# KiCad board AFS-K5171.kicad_pcb (continued)
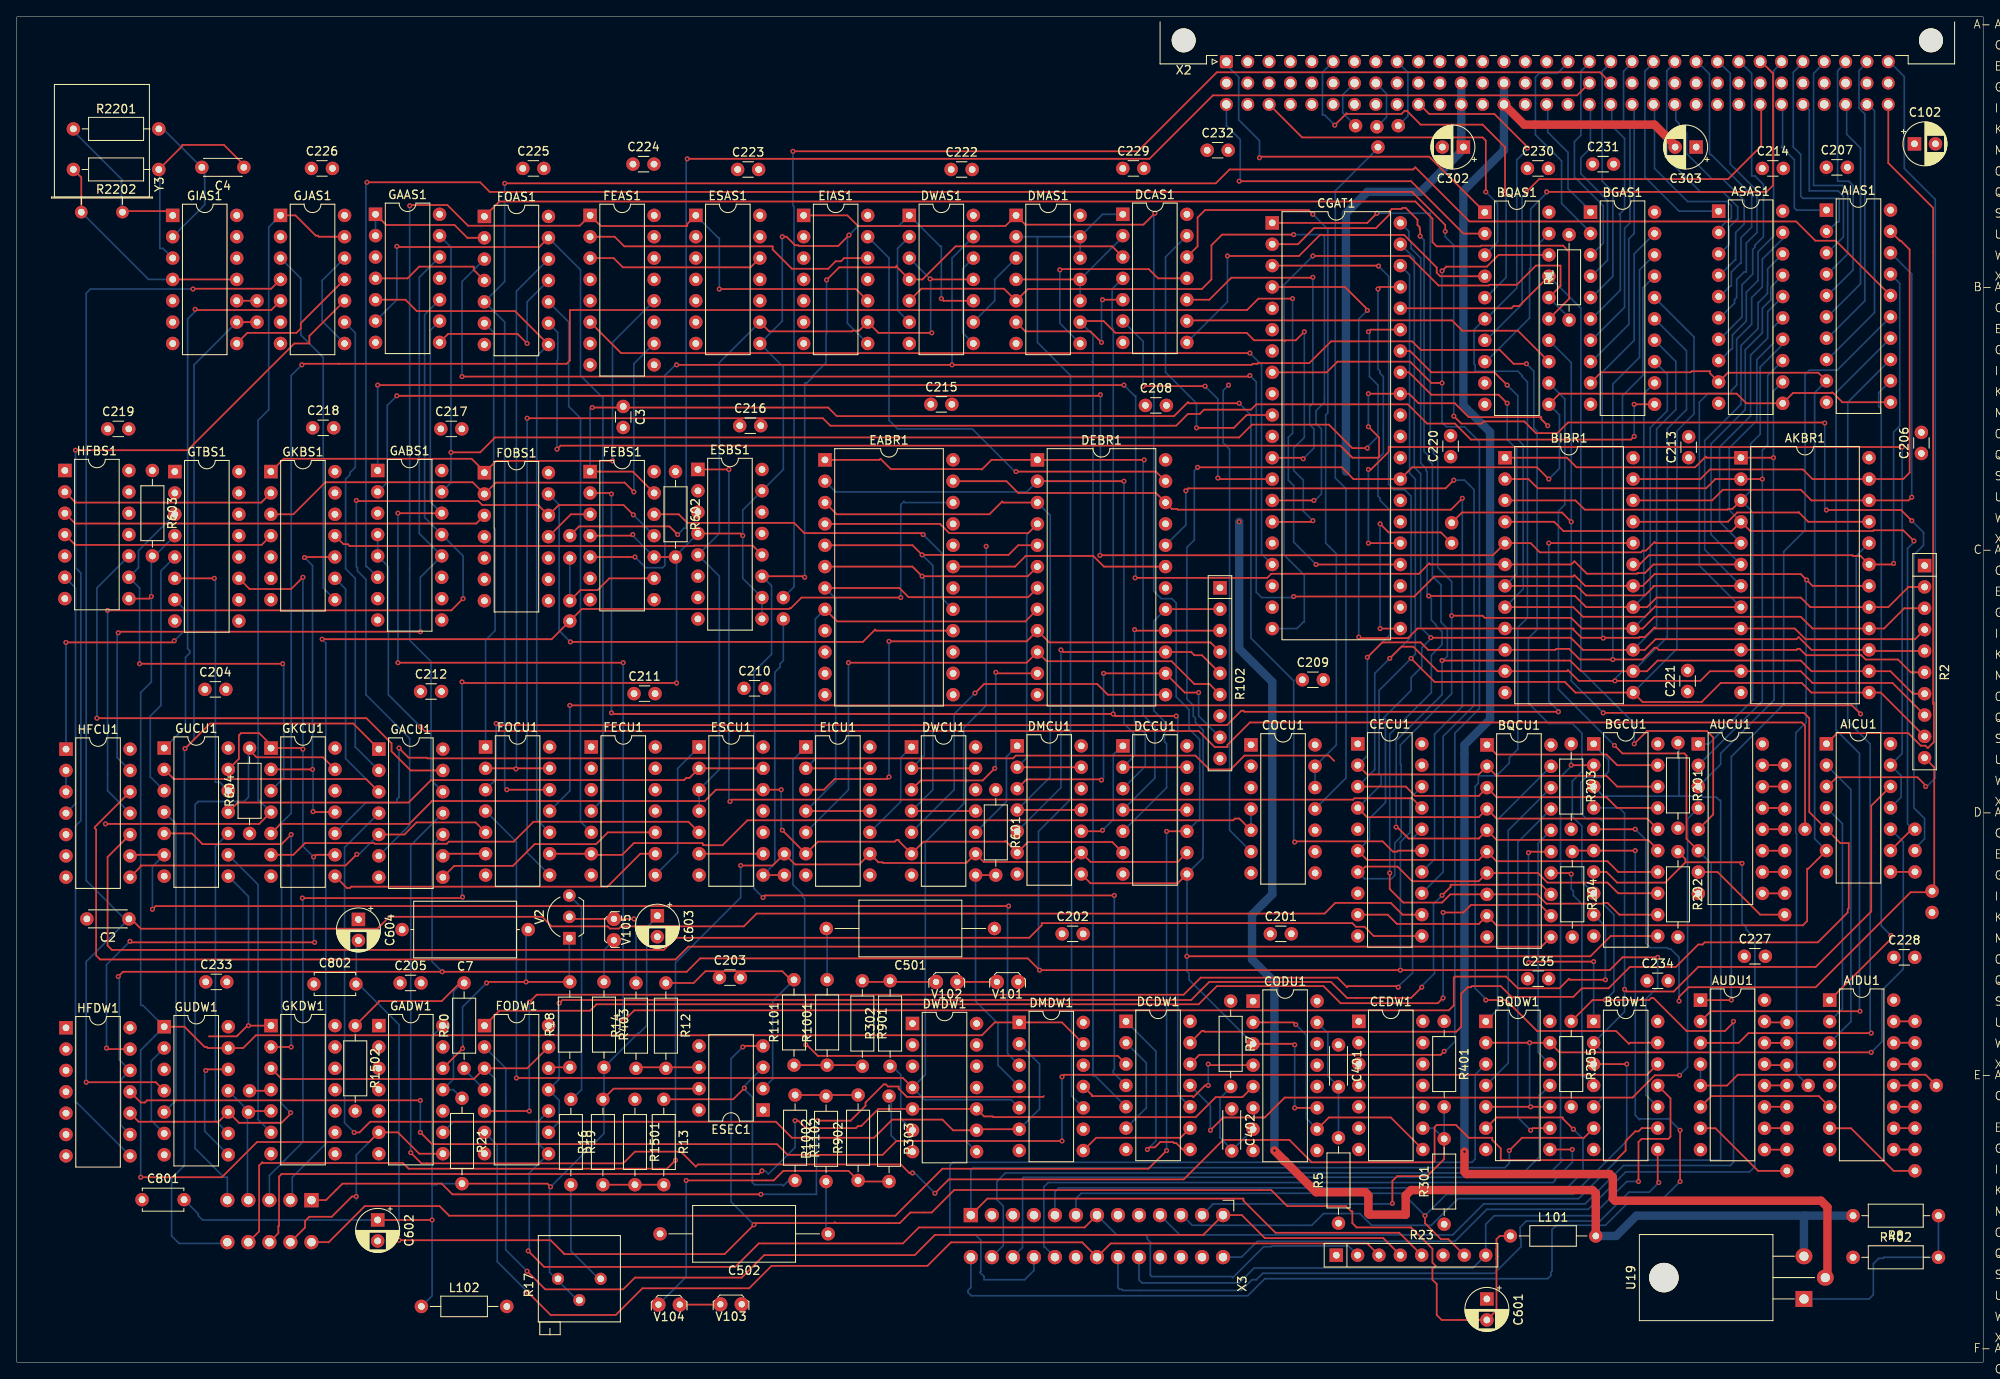
[diagram p0: board, top side]
## Footprints (pads in the part's own frame, mm; a bottom-side part is the same pattern mirrored in y, then rotated) (continued)
  oval 1.6x1.6 hole 0.8: 2(10.16,0)
Pin_D1.0mm_L10.0mm
  round 1.6 hole 0.8: 1(0,0)
PinHeader_2x05_P2.54mm_Horizontal
  oval 1.7x1.7 hole 1: a1(2.5,-10) a2(2.5,-7.5) a3(2.5,-5) a4(2.5,-2.5) a5(2.5,0) b1(-2.5,-10) b2(-2.5,-7.5) b3(-2.5,-5) b4(-2.5,-2.5)
  rect 1.7x1.7 hole 1: b5(-2.5,0)
PinHeader_2x13_P2.54mm_Horizontal
  oval 1.7x1.7 hole 1: a1(2.5,-30) a2(2.5,-27.5) a3(2.5,-25) a4(2.5,-22.5) a5(2.5,-20) a6(2.5,-17.5) a7(2.5,-15) a8(2.5,-12.5) a9(2.5,-10) a10(2.5,-7.5) a11(2.5,-5) a12(2.5,-2.5) a13(2.5,0) b2(-2.5,-27.5) b3(-2.5,-25) b4(-2.5,-22.5) b5(-2.5,-20) b6(-2.5,-17.5) b7(-2.5,-15) b8(-2.5,-12.5) b9(-2.5,-10) b10(-2.5,-7.5) b11(-2.5,-5) b12(-2.5,-2.5) b13(-2.5,0)
  rect 1.7x1.7 hole 1: b1(-2.5,-30)
Potentiometer_Bourns_3296P_Horizontal
  round 1.44 hole 0.8: 1(0,0) 2(-2.54,-2.54) 3(0,-5.08)
R_Array_SIP8
  rect 1.6x1.6 hole 0.8: 1(0,0)
  oval 1.6x1.6 hole 0.8: 2(2.54,0) 3(5.08,0) 4(7.62,0) 5(10.16,0) 6(12.7,0) 7(15.24,0) 8(17.78,0)
R_Array_SIP9
  rect 1.6x1.6 hole 0.8: 1(0,0)
  oval 1.6x1.6 hole 0.8: 2(2.54,0) 3(5.08,0) 4(7.62,0) 5(10.16,0) 6(12.7,0) 7(15.24,0) 8(17.78,0) 9(20.32,0)
R_Array_SIP10
  rect 1.6x1.6 hole 0.8: 1(0,0)
  oval 1.6x1.6 hole 0.8: 2(2.54,0) 3(5.08,0) 4(7.62,0) 5(10.16,0) 6(12.7,0) 7(15.24,0) 8(17.78,0) 9(20.32,0) 10(22.86,0)
R_Axial_DIN0207_L6.3mm_D2.5mm_P10.16mm_Horizontal
  round 1.6 hole 0.8: 1(0,0)
  oval 1.6x1.6 hole 0.8: 2(10.16,0)
TO-92Flat
  round 1.7 hole 0.75: 1(0,0) 2(2.54,0)
TO-92L_Inline_Wide
  rect 1.5x1.5 hole 0.8: 1(0,0)
  round 1.5 hole 0.8: 2(2.54,0) 3(5.08,0)
TO-220-3_Horizontal_TabDown
  round 3.5 hole 3.5 unplated: (2.54,16.66)
  rect 1.905x2 hole 1.1: 1(0,0)
  oval 1.905x2 hole 1.1: 2(5.08,0) 3(2.54,-2.54)

## Nets
+5V: AIAS1.20 AICU1.14 AIDU1.16 AKBR1.21 AKBR1.24 ASAS1.20 AUCU1.16 AUDU1.16 BGAS1.20 BGCU1.20 BGDW1.14 BIBR1.21 BIBR1.24 BQAS1.20 BQCU1.20 BQDW1.14 C102.1 C201.1 C202.1 C203.1 C204.1 C205.1 C206.1 C207.1 C208.1 C209.1 C210.1 C211.1 C212.1 C213.1 C214.1 C215.1 C216.1 C217.1 C218.1 C219.1 C220.1 C221.1 C222.1 C223.1 C224.1 C225.1 C226.1 C227.1 C228.1 C229.1 C230.1 C231.1 C232.1 C233.1 C234.1 C235.1 CECU1.20 CEDW1.14 CGAT1.11 COCU1.14 CODU1.16 DCAS1.14 DCCU1.14 DCDW1.14 DEBR1.21 DEBR1.24 DMAS1.14 DMCU1.14 DMDW1.14 DWAS1.14 DWCU1.14 DWDW1.14 EABR1.21 EABR1.24 EIAS1.14 EICU1.14 ESAS1.14 ESBS1.16 ESCU1.14 FEAS1.16 FEBS1.14 FECU1.14 FOAS1.14 FOBS1.14 FOCU1.14 FODW1.14 GAAS1.14 GABS1.16 GACU1.14 GIAS1.14 GJAS1.14 GKBS1.14 GKCU1.14 GKDW1.14 GTBS1.16 GUCU1.14 GUDW1.14 HFBS1.14 HFCU1.14 HFDW1.14 L102.2 R1.2 R2.1 R5.1 R7.1 R23.1 R102.1 R201.2 R202.2 R203.2 R204.2 R205.2 R301.1 R601.1 R602.1 R603.1 R604.1 X2.a11 X2.a12 X2.a14 X2.a15 X2.c24 X2.c25
-A0: ASAS1.1 X2.a21
-A1: ASAS1.2 X2.c21
-A2: ASAS1.3 X2.a22
-A3: ASAS1.4 X2.c22
-A4: ASAS1.5 X2.a23
-A5: ASAS1.6 X2.a24
-A6: ASAS1.7 X2.a25
-A7: ASAS1.8 X2.a27
-A8: AIAS1.1 X2.c27
-A9: AIAS1.2 X2.a28
-A10: AICU1.3 X2.a32
-A11: AICU1.1 X2.c32
-AA: AIAS1.3 X2.c28
-AB: AIAS1.4 X2.a29
-AC: AIAS1.5 X2.a30
-AD: AIAS1.6 X2.c30
-AE: AIAS1.7 X2.a31
-AF: AIAS1.8 X2.c31
-BAI: X2.a5 X2.c5
-CB: CGAT1.27
-CE: CECU1.17 ESBS1.1
-D0: BGAS1.1 X2.c16
-D1: BGAS1.2 X2.a17
-D2: BGAS1.3 X2.a18
-D3: BGAS1.4 X2.c18
-D4: BGAS1.5 X2.a19
-D5: BGAS1.6 X2.c19
-D6: BGAS1.7 X2.a20
-D7: BGAS1.8 X2.c20
-DMARDY0: X2.b7 X10-9.1
-DMARDY1: X2.b8 X10-7.1
-ESE: AICU1.11 AICU1.13 CGAT1.25
-HALT: X2.b16
-HF: C2.1 CECU1.12 GJAS1.4 GUDW1.4
-IEI: X2.a3 X2.a4
-INH: BQAS1.8 X2.a26
-IORQ: BQAS1.3 X2.c3
-IX: BGCU1.2 R203.1 X3.a3
-LCK: BGDW1.6 R23.5 X3.b1
-M1: BQAS1.2 X2.c1
-MERQ: BQAS1.5 X2.a6
-MO: BGDW1.3 R23.7 X3.b6
-RD: CEDW1.9 R301.2 R401.2 X3.b12
-RDB: BQAS1.1 X2.a1
-RDY: BGCU1.7 R202.1 X3.a13
-RDYB: COCU1.6
-RESET: BGDW1.13 BQAS1.6 X2.c10
-SCLK: BQAS1.7 X2.c26
-SD: FODW1.8 FODW1.10 R23.2 X3.b7
-SE1: BQDW1.3 X3.a4
-SE2: BQDW1.6 X3.b5
-SE3: BQDW1.8 X3.a5
-SE4: BQDW1.11 X3.a2
-SR: DCDW1.9 DMDW1.8
-SS: FODW1.2 R23.4 X3.b13
-ST: FODW1.6 R23.3 X3.a7
-SW: BGDW1.10 CECU1.18 DCAS1.1 DMAS1.2 DMAS1.12 DMAS1.13 GACU1.10 HFDW1.9 HFDW1.12
-T0: BGCU1.1 R205.1 X3.b10
-TS: BGCU1.6 R204.1 X3.a1
-WAIT: X2.a9 X10-6.1
-WD: BGDW1.8 R23.6 X3.a8
-WE: BGDW1.11 R23.8 X3.a9
-WEP: CEDW1.2 GKCU1.10
-WP: BGCU1.3 R201.1 X3.b11
/Seite 2/1.01: AKBR1.9 BGAS1.19 BGCU1.19 BIBR1.9 BQCU1.1 CEDW1.3 CGAT1.4 R2.4
/Seite 2/1.02: AKBR1.10 BGAS1.18 BGCU1.18 BIBR1.10 BQCU1.2 CECU1.2 CGAT1.37 R2.6
/Seite 2/1.03: AKBR1.11 BGAS1.17 BGCU1.17 BIBR1.11 BQCU1.3 CECU1.3 CGAT1.3 R2.8
/Seite 2/1.04: AKBR1.13 BGAS1.16 BGCU1.16 BIBR1.13 BQCU1.4 CECU1.4 CGAT1.38 R2.9
/Seite 2/1.05: AKBR1.14 BGAS1.15 BGCU1.15 BIBR1.14 BQCU1.5 CEDW1.13 CGAT1.2 R2.7
/Seite 2/1.06: AKBR1.15 BGAS1.14 BGCU1.14 BIBR1.15 BQCU1.6 CECU1.6 CGAT1.39 R2.5
/Seite 2/1.07: AKBR1.16 BGAS1.13 BGCU1.13 BIBR1.16 BQCU1.7 CECU1.7 CGAT1.1 R2.3
/Seite 2/1.08: AKBR1.17 BGAS1.12 BGCU1.12 BIBR1.17 BQCU1.8 CEDW1.5 CGAT1.40 R2.2
/Seite 2/1.09: CECU1.5 CEDW1.12
/Seite 2/1.10: CECU1.8 CEDW1.6
/Seite 2/2.01: AKBR1.8 ASAS1.19 BIBR1.8 CGAT1.34
/Seite 2/2.02: AKBR1.7 ASAS1.18 BIBR1.7 CGAT1.33
/Seite 2/2.03: AKBR1.6 ASAS1.17 BIBR1.6 GABS1.1
/Seite 2/2.04: AKBR1.5 ASAS1.16 BIBR1.5 GABS1.2
/Seite 2/2.05: AICU1.9 AKBR1.4 ASAS1.15 BIBR1.4 X10-1.1
/Seite 2/2.06: AKBR1.3 ASAS1.14 AUCU1.1 BIBR1.3
/Seite 2/2.07: AKBR1.2 ASAS1.13 AUCU1.2 BIBR1.2
/Seite 2/2.08: AKBR1.1 ASAS1.12 AUCU1.3 BIBR1.1
/Seite 2/2.09: AIAS1.19 AKBR1.23 BIBR1.23
/Seite 2/2.10: AIAS1.18 AKBR1.22 BIBR1.22
/Seite 2/2.11: AIAS1.17 AKBR1.19 BIBR1.19
/Seite 2/2.12: AIAS1.16 FOAS1.5 FOCU1.12
/Seite 2/2.13: AIAS1.15 AUDU1.1
/Seite 2/2.14: AIAS1.14 AUDU1.2
/Seite 2/2.15: AIAS1.13 AUDU1.3
/Seite 2/2.16: AIAS1.12 AIDU1.1
/Seite 2/2.17: AICU1.4 AIDU1.2
/Seite 2/2.18: AICU1.2 AIDU1.3
/Seite 2/3.07: BGCU1.5 R2.10 X10-22.1
/Seite 2/4.01: CGAT1.17 FEAS1.6
/Seite 2/4.08: C3.1 CECU1.15 FEBS1.1 FEBS1.13
/Seite 2/4.09: CECU1.14 DEBR1.22 EABR1.23
/Seite 2/4.10: CECU1.13 DEBR1.20
/Seite 2/5.01: DEBR1.8 EABR1.8 EICU1.2 EICU1.13
/Seite 2/5.02: DEBR1.7 EABR1.7 EICU1.4 EICU1.11
/Seite 2/5.03: DEBR1.6 DWCU1.2 DWCU1.13 EABR1.6
/Seite 2/5.04: DEBR1.5 DWCU1.4 DWCU1.11 EABR1.5
/Seite 2/5.05: DEBR1.4 DMCU1.2 DMCU1.13 EABR1.4
/Seite 2/5.06: DEBR1.3 DMCU1.4 DMCU1.11 EABR1.3
/Seite 2/5.07: DCCU1.2 DCCU1.13 DEBR1.2 EABR1.2
/Seite 2/5.08: DCCU1.4 DCCU1.11 DEBR1.1 EABR1.1
/Seite 2/6.01: DEBR1.9 EICU1.3 R102.4
/Seite 2/6.02: DEBR1.10 EICU1.5 R102.6
/Seite 2/6.03: DEBR1.11 DWCU1.3 R102.7
/Seite 2/6.04: DEBR1.13 DWCU1.5 R102.9
/Seite 2/6.05: DEBR1.14 DMCU1.3 R102.8
/Seite 2/6.06: DEBR1.15 DMCU1.5 R102.5
/Seite 2/6.07: DCCU1.3 DEBR1.16 R102.3
/Seite 2/6.08: DCCU1.5 DEBR1.17 R102.2
/Seite 3/7.06: GKDW1.5 GUDW1.11 X4.b2 X10-21.1
/Seite 3/7.07: GKCU1.13 R604.2 X4.b1
/Seite 3/7.08: CODU1.5 DWDW1.5 DWDW1.10 X4.a3
/Seite 3/7.09: X4.b5
/Seite 3/7.11: DMDW1.5 DWDW1.4 FOCU1.4
???: CEDW1.10
B: AIAS1.10 AICU1.7 AIDU1.4 AIDU1.5 AIDU1.8 AKBR1.12 ASAS1.10 AUCU1.8 AUDU1.8 BGAS1.10 BGCU1.10 BGDW1.7 BIBR1.12 BQAS1.9 BQAS1.10 BQCU1.10 BQDW1.7 C2.2 C3.2 C7.2 C102.2 C201.2 C202.2 C203.2 C204.2 C205.2 C206.2 C207.2 C208.2 C209.2 C210.2 C211.2 C212.2 C213.2 C214.2 C215.2 C216.2 C217.2 C218.2 C219.2 C220.2 C221.2 C222.2 C223.2 C224.2 C225.2 C226.2 C227.2 C228.2 C229.2 C230.2 C231.2 C232.2 C233.2 C234.2 C235.2 C302.2 C501.1 C502.2 C601.1 C602.2 C603.2 C604.1 C801.1 C802.1 CECU1.10 CEDW1.7 CGAT1.6 CGAT1.30 COCU1.7 CODU1.1 CODU1.8 CODU1.9 DCAS1.7 DCCU1.7 DCDW1.7 DEBR1.12 DEBR1.18 DEBR1.19 DMAS1.7 DMCU1.7 DMDW1.7 DMDW1.12 DWAS1.7 DWCU1.7 DWDW1.7 EABR1.12 EABR1.18 EABR1.19 EABR1.20 EIAS1.2 EIAS1.3 EIAS1.4 EIAS1.5 EIAS1.6 EIAS1.7 EICU1.7 ESAS1.2 ESAS1.3 ESAS1.4 ESAS1.5 ESAS1.6 ESAS1.7 ESBS1.8 ESBS1.14 ESCU1.7 FEAS1.4 FEAS1.5 FEAS1.8 FEBS1.7 FECU1.7 FOAS1.7 FOBS1.7 FOCU1.7 FODW1.7 GAAS1.7 GABS1.3 GABS1.8 GACU1.7 GADW1.7 GIAS1.7 GJAS1.7 GKBS1.7 GKCU1.7 GKCU1.12 GKDW1.7 GTBS1.1 GTBS1.8 GTBS1.9 GTBS1.10 GTBS1.14 GTBS1.15 GUCU1.7 GUDW1.7 HFBS1.1 HFBS1.5 HFBS1.7 HFCU1.7 HFDW1.7 R401.1 R402.1 R1501.1 R1502.2 V101.1 V103.1 X2.b2 X2.b6 X2.b9 X2.b13 X2.b17 X2.b20 X2.b23 X2.b26 X2.b29 X2.b32 X3.a6 X3.a10 X3.a11 X3.a12 X3.b2 X3.b3 X3.b4 X3.b8 X3.b9 X10-23.1
BC: FEBS1.11 FOBS1.12 GACU1.6
C: C303.2 U19.3 X2.b14 X2.c14
CLK: DCCU1.9 DMCU1.9 DMDW1.10 DWCU1.9 EICU1.9 X4.a2 X10-12.1
CLO: X2.b19 X10-10.1
CT: DWAS1.3 DWAS1.11 EIAS1.9 ESAS1.9 ESBS1.5 ESCU1.3 ESCU1.4
D: C302.1 C303.1 X2.b12 X2.c12
E: L101.2 R8.2 U19.2
ESE: AICU1.12 BGCU1.4 BGDW1.2 BGDW1.5
F: C602.1 C603.1 C801.2 ESEC1.7 GADW1.14 L102.1 R16.2 R17.1 R17.2 R21.2 R403.2
G: C601.2 C604.2 C802.2 ESEC1.4 L101.1
H1: AIAS1.11 ASAS1.11 BGCU1.11 BQAS1.11 CGAT1.28 CODU1.3 CODU1.11 DCCU1.8 DMCU1.8 DMDW1.4 DWCU1.8 EICU1.8 R601.2
H2: DWAS1.1 DWAS1.10 EIAS1.8 ESAS1.8 ESBS1.4 ESBS1.9 ESBS1.10 ESBS1.15 FEBS1.4 FEBS1.10 R602.2 X4.b3
H3: DMDW1.1 DMDW1.13 GADW1.6 GADW1.8 GJAS1.1 GJAS1.13 GKCU1.4 GTBS1.4 GUDW1.1 GUDW1.13 HFBS1.8 R603.2 X4.a4
LCK: BGDW1.4 BQCU1.14 CEDW1.11
LF: CGAT1.24 GUDW1.10 HFDW1.10
M0: BGDW1.1 BQCU1.15
NIR?: DCCU1.6 DMCU1.6 DWCU1.6 EICU1.6 ESCU1.12 GKCU1.5
PL: FEAS1.10 FOBS1.2 GKBS1.3
PR: FEAS1.12 FOBS1.1 GKBS1.1
SD: BQCU1.13 FODW1.9 FODW1.11
SE1: BQCU1.19 BQDW1.1
SE2: BQCU1.18 BQDW1.4
SE3: BQCU1.17 BQDW1.9
SE4: BQCU1.16 BQDW1.12
SRA: DCCU1.10 DMAS1.1 EIAS1.1 X4.a5
SS: BQCU1.12 FODW1.1
ST: CECU1.16 FODW1.5
STA: X4.a1
TME: X2.b18 X10-14.1
TMEA: EABR1.22 X4.b4 X10-17.1
WDA: EIAS1.10 ESAS1.1 FEAS1.1 GACU1.12
WE: DCAS1.3 DCDW1.4 DWAS1.4 ESBS1.11 GKCU1.1 GKCU1.9 GTBS1.11 GUCU1.13 HFDW1.13
Net-(AIAS1-CS): AIAS1.9 AICU1.6 ASAS1.9 BGAS1.9 BQCU1.9 CECU1.9
Net-(AICU1-Pad10): AICU1.10 BQDW1.2 BQDW1.5 BQDW1.10 BQDW1.13
Net-(AIDU1-E3): AIDU1.6 AUCU1.6 AUDU1.6 BQAS1.12
Net-(AIDU1-O0): AIDU1.15 X7-1.1
Net-(AIDU1-O1): AIDU1.14 X7-2.1
Net-(AIDU1-O2): AIDU1.13 X7-3.1
Net-(AIDU1-O3): AIDU1.12 X7-4.1
Net-(AIDU1-O4): AIDU1.11 X7-5.1
Net-(AIDU1-O5): AIDU1.10 X7-6.1
Net-(AIDU1-O6): AIDU1.9 X7-7.1
Net-(AIDU1-O7): AIDU1.7 X7-8.1
Net-(AKBR1-CS): AKBR1.18 BIBR1.18 FOAS1.3 X9-9.1
Net-(AKBR1-OE): AKBR1.20 FOCU1.11
Net-(AUCU1-E1): AUCU1.4 DCDW1.11
Net-(AUCU1-E2): AUCU1.5 BQAS1.17 CGAT1.36
Net-(AUCU1-O0): AUCU1.15 X8-1.1
Net-(AUCU1-O1): AUCU1.14 X8-2.1
Net-(AUCU1-O2): AUCU1.13 X8-3.1
Net-(AUCU1-O3): AUCU1.12 X8-4.1
Net-(AUCU1-O4): AUCU1.11 X8-5.1
Net-(AUCU1-O5): AUCU1.10 X8-6.1
Net-(AUCU1-O6): AUCU1.9 X8-7.1
Net-(AUCU1-O7): AUCU1.7 X8-8.1
Net-(AUDU1-E1): AUDU1.4 AUDU1.5 X7-9.1
Net-(AUDU1-O0): AUDU1.15 X9-1.1
Net-(AUDU1-O1): AUDU1.14 X9-2.1
Net-(AUDU1-O2): AUDU1.13 X9-3.1
Net-(AUDU1-O3): AUDU1.12 X9-4.1
Net-(AUDU1-O4): AUDU1.11 X9-5.1
Net-(AUDU1-O5): AUDU1.10 X9-6.1
Net-(AUDU1-O6): AUDU1.9 X9-7.1
Net-(AUDU1-O7): AUDU1.7 X9-8.1
Net-(BGAS1-DIR): BGAS1.11 FOCU1.8
Net-(BGCU1-CS): BGCU1.9 GAAS1.9 GABS1.14
Net-(BGCU1-DI7): BGCU1.8 DWAS1.13 FEBS1.5
Net-(BGDW1-Pad9): BGDW1.9 GACU1.11
Net-(BGDW1-Pad12): BGDW1.12 HFDW1.11
Net-(BIBR1-OE): BIBR1.20 FOCU1.3
Net-(BQAS1-DI3): BQAS1.4 DCAS1.8
Net-(BQAS1-DO0): BQAS1.19 CGAT1.32 FOAS1.9
Net-(BQAS1-DO1): BQAS1.18 CGAT1.8 DCDW1.12
Net-(BQAS1-DO3): BQAS1.16 CGAT1.20 R1.1
Net-(BQAS1-DO4): BQAS1.15 FOAS1.1
Net-(BQAS1-DO5): AICU1.5 BQAS1.14 DCDW1.13 X10-4.1
Net-(BQAS1-DO6): BQAS1.13 DCAS1.9
Net-(BQCU1-STB): BQCU1.11 HFCU1.12
Net-(C4-Pad1): C4.1 GIAS1.3 R2202.1
Net-(C4-Pad2): C4.2 GIAS1.2 R2201.2
Net-(C501-Pad2): C501.2 R1001.2
Net-(C502-Pad1): C502.1 R1002.1
Net-(CECU1-DI0): CECU1.1 CEDW1.4
Net-(CECU1-DO0): CECU1.19 CEDW1.1
Net-(CECU1-STB): CECU1.11 HFCU1.10
Net-(CGAT1-CS): CGAT1.35 GAAS1.13 GABS1.15
Net-(CGAT1-RESET): CGAT1.21 X10-5.1
Net-(CGAT1-RXCA): CGAT1.13 DCAS1.6
Net-(CGAT1-RXDA): CGAT1.12 DCAS1.10
Net-(CGAT1-TXCA): CGAT1.14 DMAS1.5 DWAS1.5
Net-(CGAT1-TXDA): CGAT1.15 DCDW1.5 DMAS1.9
Net-(CGAT1-W/RDYA): CGAT1.10 DCAS1.13
Net-(COCU1-Pad4): COCU1.4 COCU1.5 FECU1.6 FOCU1.9
Net-(COCU1-Pad12): COCU1.12 COCU1.13 DCAS1.12
Net-(CODU1A--F): CODU1.4 DMDW1.11
Net-(CODU1A-B): CEDW1.8 CODU1.2 CODU1.10
Net-(CODU1A-C): C401.1 CODU1.14
Net-(CODU1A-RL): C401.2 CODU1.15 R5.2
Net-(CODU1B-C): C402.1 CODU1.6
Net-(CODU1B-RL): C402.2 CODU1.7 R7.2
Net-(DCAS1-Pad2): DCAS1.2 DMAS1.4 DMAS1.10 DMAS1.11
Net-(DCAS1-Pad4): DCAS1.4 DCDW1.10 FEBS1.2
Net-(DCAS1-Pad5): DCAS1.5 DMAS1.6
Net-(DCAS1-Pad11): DCAS1.11 DMAS1.8
Net-(DCCU1-A0): DCCU1.1 DMCU1.10
Net-(DCDW1-Pad1): DCDW1.1 DCDW1.8
Net-(DCDW1-Pad2): DCDW1.2 DCDW1.6
Net-(DEBR1-A8): DEBR1.23 EIAS1.13
Net-(DMAS1-Pad3): DMAS1.3 DWAS1.9
Net-(DMCU1-A0): DMCU1.1 DWCU1.10
Net-(DMDW1-Pad2): DMDW1.2 DMDW1.6 DWDW1.9 GACU1.4
Net-(DMDW1-Pad3): DMDW1.3 GUCU1.6 HFCU1.9
Net-(DWAS1-Pad2): DWAS1.2 DWAS1.6
Net-(DWAS1-Pad12): DWAS1.8 DWAS1.12
Net-(DWCU1-A0): DWCU1.1 EICU1.10
Net-(DWDW1-Pad6): DWDW1.6 R302.1
Net-(DWDW1-Pad8): DWDW1.8 R303.1
Net-(EABR1-D6): EABR1.16 FOBS1.13
Net-(EABR1-D7): EABR1.17 FEBS1.12
Net-(EIAS1-2): EIAS1.12 FEAS1.2
Net-(EICU1-A0): DCDW1.3 EICU1.1
Net-(ESAS1-2): ESAS1.12 FEAS1.3
Net-(ESBS1-P1): ESBS1.12 GKBS1.11
Net-(ESCU1-Pad1): ESCU1.1 FECU1.8
Net-(ESCU1-Pad5): ESCU1.5 GKCU1.6
Net-(ESCU1-Pad6): ESCU1.6 ESCU1.9
Net-(ESCU1-Pad10): ESCU1.10 ESCU1.11
Net-(ESCU1-Pad13): ESCU1.2 ESCU1.13 GUCU1.11
Net-(ESEC1-+): ESEC1.3 R13.1 R1102.2
Net-(ESEC1--): ESEC1.2 R12.1 R1101.2
Net-(ESEC1-Pad6): ESEC1.6 R12.2 R14.1
Net-(FEBS1-Pad3): FEBS1.3 FOBS1.11
Net-(FECU1-Pad4): FECU1.4 FOAS1.13 GAAS1.6
Net-(FECU1-Pad5): FECU1.5 FOAS1.10
Net-(FECU1-Pad9): FECU1.9 GKCU1.8
Net-(FECU1-Pad10): FECU1.10 GACU1.8
Net-(FOAS1-Pad2): FOAS1.2 GAAS1.1 GAAS1.2
Net-(FOAS1-Pad4): FOAS1.4 GAAS1.4
Net-(FOAS1-Pad6): FOAS1.6 FOCU1.1
Net-(FOAS1-Pad8): FOAS1.8 FOCU1.10 GAAS1.5
Net-(FOAS1-Pad11): FOAS1.11 GAAS1.8
Net-(FOAS1-Pad12): FOAS1.12 FOCU1.2 FOCU1.13
Net-(FOCU1-Pad5): FOCU1.5 GACU1.5 HFCU1.8
Net-(FOCU1-Pad6): FOCU1.6 GACU1.9
Net-(FODW1-Pad4): FODW1.4 R20.1
Net-(FODW1-Pad12): FODW1.12 R18.1
Net-(GABS1-E1): GABS1.4 GABS1.5 X8-9.1
Net-(GABS1-E3): GABS1.6 X10-2.1
Net-(GABS1-O2): GAAS1.10 GABS1.13 HFCU1.11
Net-(GABS1-O3): GAAS1.12 GABS1.12 HFCU1.13
Net-(GACU1-Pad2): GACU1.2 GJAS1.9
Net-(GACU1-Pad3): GACU1.3 GKBS1.9 GUCU1.2
Net-(GADW1-2A): C7.1 GADW1.12 R18.2 V2.1
Net-(GADW1-2B): GADW1.11 R20.2 R21.1 R1502.1
Net-(GADW1-2Y): FODW1.3 FODW1.13 GADW1.9 GKDW1.3
Net-(GIAS1-Pad1): GIAS1.1 R2201.1 Y3.1
Net-(GIAS1-Pad8): GIAS1.8 GJAS1.11
Net-(GIAS1-Pad11): GIAS1.4 GIAS1.11 R2202.2 Y3.2
Net-(GJAS1-Pad2): GJAS1.2 GJAS1.6
Net-(GJAS1-Pad3): GJAS1.3 GKBS1.8
Net-(GJAS1-Pad5): GJAS1.5 GUCU1.1
Net-(GJAS1-Pad10): GJAS1.10 HFDW1.8
Net-(GJAS1-Pad12): GJAS1.8 GJAS1.12
Net-(GKBS1-Pad10): GKBS1.10 GKCU1.2 GKCU1.11
Net-(GKDW1-Pad1): GKDW1.1 GUCU1.8 GUDW1.3
Net-(GKDW1-Pad2): GKDW1.2 GUCU1.5
Net-(GKDW1-Pad6): GKDW1.6 GUCU1.9
Net-(GTBS1-1): GKCU1.3 GTBS1.3 HFBS1.9
Net-(GTBS1-3): GTBS1.6 GUCU1.12
Net-(GTBS1-4): GTBS1.7 HFCU1.1
Net-(GTBS1-T1): GTBS1.5 GUCU1.3
Net-(GUCU1-Pad4): GUCU1.4 GUDW1.5
Net-(GUCU1-Pad10): GUCU1.10 GUDW1.9
Net-(GUDW1-Pad2): GUDW1.2 GUDW1.6
Net-(GUDW1-Pad12): GUDW1.8 GUDW1.12
Net-(HFBS1-4): GACU1.13 HFBS1.10
Net-(HFBS1-A1): GKBS1.2 HFBS1.2
Net-(HFBS1-A2): FOBS1.3 HFBS1.3
Net-(HFBS1-A3): GKBS1.4 HFBS1.4
Net-(HFBS1-V): HFBS1.6 HFCU1.4
Net-(HFCU1-Pad2): HFCU1.2 HFCU1.3
Net-(R13-Pad2): R13.2 R16.1 R1501.2
Net-(R17-Pad3): R17.3 R19.2
Net-(R1001-Pad1): R901.2 R1001.1 R1101.1
Net-(R1002-Pad2): R902.2 R1002.2 R1102.1
Net-(U19-ADJ): R8.1 R402.2 U19.1
Net-(V2-E): R19.1 V2.3
Net-(V101-A): V101.2 V102.1
Net-(V102-A): R302.2 R901.1 V102.2
Net-(V103-A): V103.2 V104.1
Net-(V104-A): R303.2 R902.1 V104.2
Net-(V105-A): R403.1 V105.2
Net-(V105-K): R14.2 V2.2 V105.1
Net-(X10-3-Pin_1): AICU1.8 X10-3.1
Net-(X10-8-Pin_1): COCU1.11 X10-8.1
Net-(X10-11-Pin_1): ESCU1.8 X10-11.1 X10-13.1
Net-(X10-15-Pin_1): FEBS1.9 X10-15.1 X10-16.1
Net-(X10-18-Pin_1): GIAS1.10 X10-18.1
Net-(X10-19-Pin_1): GACU1.1 GIAS1.9 X10-19.1
Net-(X10-20-Pin_1): GKDW1.4 X10-20.1

Pads without a net: CGAT1 5 7 9 16 18 19 22 23 26 29 31; COCU1 1 2 3 8 9 10; CODU1 12 13; DCCU1 12; DMCU1 12; DMDW1 9; DWCU1 12; DWDW1 1 2 3 11 12 13; EABR1 9 10 11 13 14 15; EIAS1 11; EICU1 12; ESAS1 10 11 13; ESBS1 2 3 6 7 13; ESEC1 1 5 8; FEAS1 7 9 11 13 14 15; FEBS1 6 8; FECU1 1 2 3 11 12 13; FOBS1 4 5 6 8 9 10; GAAS1 3 11; GABS1 7 9 10 11; GADW1 1 2 3 4 5 10 13; GIAS1 5 6 12 13; GKBS1 5 6 12 13; GKDW1 8 9 10 11 12 13; GTBS1 2 12 13; HFBS1 11 12 13; HFCU1 5 6; HFDW1 1 2 3 4 5 6; X2 a2 a7 a8 a10 a13 a16 b1 b3 b4 b5 b10 b11 b15 b21 b22 b24 b25 b27 b28 b30 b31 c2 c4 c6 c7 c8 c9 c11 c13 c15 c17 c23 c29

## Via types
v1: diameter 0.6, hole 0.3, Top to Bottom, 302 vias

## Routing (per net, layer and track width the routed paths; a pad name or vN(x,y) marks a point on that pad's centre or on a via; arc(x,y) is an arc through that point)
+5V: length 29
  Top w0.2: BIBR1.21 203.58,99.98 203.58,100.01 204.65,101.08 211.92,101.08 211.96,101.12 213.11,99.98 AKBR1.21
-A0: length 24.8
  Bottom w0.2: 202.57,136.93 197.74,136.93 193.68,141 193.68,153.57 194.82,154.71
-A1: length 22.5
  Bottom w0.2: 202.57,134.39 202.57,134.91 203.33,135.67 203.51,135.67 203.96,136.12 203.96,137.57 203.45,138.08 198.75,138.08 194.82,142.02 194.82,149.63
-A2: length 29.4
  Bottom w0.2: 202.57,131.85 203.71,132.98 203.71,135.03 204.72,136.05 204.72,137.44 202.95,139.22 200.28,139.22 196.09,143.41 196.28,143.61 196.28,153.64 197.36,154.71
-A3: length 25.7
  Bottom w0.2: 202.57,129.31 204.36,131.09 204.47,131.09 204.47,134.4 205.49,135.41 205.49,138.21 202.95,140.75 201.68,140.75 198.63,143.79 198.63,146.21 197.74,147.1 197.74,147.35 197.36,147.73 197.36,149.63
-A4: length 32.5
  Bottom w0.2: 199.9,154.71 201.36,153.25 201.36,143.73 201.42,143.67 201.55,143.67 206.5,138.71 206.38,138.59 206.38,135.03 205.11,133.76 205.11,130.71 204.98,130.71 203.96,129.7 203.96,128.05 203.85,128.05 202.57,126.77
-A5: length 34.4
  Bottom w0.2: 202.44,154.71 203.83,153.31 203.83,142.52 207.01,139.35 207.01,134.4 205.74,133.13 205.74,129.7 205.49,129.7 204.6,128.81 204.6,126.65 204.34,126.4 204.34,126 202.57,124.23
-A6: length 36.6
  Bottom w0.2: 202.57,121.69 205.23,124.35 205.23,128.17 206.5,129.44 206.5,132.36 206.76,132.62 206.76,132.87 207.77,133.89 207.77,140.11 206.76,141.13 206.38,141.13 206.38,153.31 204.98,154.71
-A7: length 38.7
  Bottom w0.2: 202.57,119.15 203.98,120.55 204.09,120.55 204.09,122.2 205.74,123.86 205.74,127.28 207.14,128.68 207.14,132.11 208.98,133.96 208.98,153.64 210.06,154.71
-A8: length 17.1
  Bottom w0.2: 215.4,137.06 211.71,137.06 211.45,137.32 211.45,143.03 209.93,144.56 210.06,144.68 210.06,149.63
-A9: length 26.2
  Bottom w0.2: 215.4,134.52 216.55,135.67 216.79,135.67 216.79,138.46 212.47,138.46 212.22,138.71 212.22,143.67 211.33,144.56 211.33,153.44 212.6,154.71
-A10: length 101.6
  Top w0.2: 215.4,68.49 216.5,69.59 226.1,69.59 227.2,68.48
  Bottom w0.2: 227.2,68.48 228.22,69.5 228.22,138.33 224.54,142.02 224.54,152.93 222.76,154.71
  vias: v1(227.08,68.48)
-A11: length 92.7
  Top w0.2: 227.96,78.52 227.96,78.26 ; 227.96,78.52 228.05,78.43 228.05,73.77 227.33,73.06 227.04,73.35 226.49,73.35 225.01,74.83 216.54,74.83 AICU1.1 ; 227.96,78.52 227.96,137.32 222.63,142.65 X2.c32
-AA: length 22.4
  Bottom w0.2: 212.6,149.63 213.23,149 213.23,139.35 216.66,139.35 217.3,138.71 217.3,133.87 215.4,131.98
-AB: length 30.5
  Bottom w0.2: 215.4,129.44 217.81,131.84 217.81,139.35 217.17,139.98 213.74,139.98 213.74,153.31 215.14,154.71
-AC: length 31
  Bottom w0.2: 215.4,126.9 218.44,129.94 218.44,139.98 217.93,140.49 216.66,140.49 216.6,140.55 216.6,153.64 217.68,154.71
-AD: length 27.6
  Bottom w0.2: 217.68,149.63 217.68,146.08 219.33,144.43 219.33,128.29 215.4,124.36
-AE: length 35.5
  Bottom w0.2: 220.22,154.71 219.14,153.64 219.14,149.19 219.84,148.49 219.84,126.25 215.4,121.82
-AF: length 33
  Bottom w0.2: 215.4,119.28 220.99,124.87 220.99,148.86 220.22,149.63
-CE: length 126.4
  Top w0.2: ESBS1.1 v1(84.71,106.2) 84.84,106.08 ; CECU1.17 165.99,67.09 159.13,67.09 158.97,66.92 85.05,66.92 v1(84.84,66.71)
  Bottom w0.2: v1(84.84,66.71) 84.71,66.83 v1(84.71,106.2)
-D0: length 15
  Bottom w0.2: 187.33,136.81 184.53,139.62 184.53,143.92 182.12,146.33 182.12,149.63
-D1: length 26.1
  Bottom w0.2: 184.66,154.71 183.27,153.32 181.1,153.32 180.65,152.87 180.65,146.02 183.77,142.91 183.77,137.84 187.33,134.27
-D2: length 25.8
  Bottom w0.2: 187.33,131.73 188.72,133.12 188.72,137.57 185.42,140.87 185.29,140.87 185.29,145.19 186.06,145.95 186.06,153.57 187.2,154.71
-D3: length 23
  Bottom w0.2: 187.2,149.63 187.2,144.43 186.06,143.29 186.06,141.38 189.23,138.21 189.23,131.09 187.33,129.19
-D4: length 30.1
  Bottom w0.2: 189.74,154.71 188.6,153.57 188.6,140.49 189.87,139.22 189.87,129.18 187.33,126.65
-D5: length 27.9
  Bottom w0.2: 187.33,124.11 190.75,127.53 190.75,136.43 190.63,136.56 191.26,137.19 191.26,145.57 189.74,147.1 189.74,149.63
-D6: length 35.8
  Bottom w0.2: 187.33,121.57 191.26,125.5 191.26,134.9 191.9,135.54 191.9,146.72 191.13,147.48 191.13,153.57 192.28,154.71
-D7: length 32.7
  Bottom w0.2: 187.33,119.03 191.77,123.47 191.77,133.63 192.41,134.27 192.41,149.5 192.28,149.63
-DMARDY0: length 6.3
  Bottom w0.2: X2.b7 157.73,150.77 157.73,148.62 X10-9.1
-DMARDY1: length 6.2
  Bottom w0.2: X2.b8 162.94,150.9 162.94,148.11 X10-7.1
-ESE: length 122.4
  Top w0.2: v1(160.78,97.44) 160.79,97.43 CGAT1.25 ; 160.66,106.2 v1(160.78,106.2) 161.09,106.2 163.19,108.3 163.19,108.87 v1(224.28,108.87)
  Bottom w0.2: 224.28,109 v1(224.28,108.87) 224.28,72.42 AICU1.13 224.15,69.77 224.15,67.21 AICU1.11 ; v1(160.78,106.2) v1(160.78,97.44) 160.78,97.31
-HF: length 289.5
  Top w0.2: CECU1.12 164.85,53.24 163.45,54.64 156.85,54.64 155.57,53.37 88.01,53.37 86.49,51.85 71.88,51.85 71.62,51.59 70.55,51.59 70.29,51.85 63.63,51.85 62.48,52.99 44.32,52.99 42.9,51.57 14.75,51.57 13.59,52.74 13.21,52.74 ; v1(20.95,127.67) 21,127.71 30.27,127.71 GJAS1.4 ; 17.54,32.29 16.53,33.3 v1(8.26,33.3)
  Bottom w0.2: v1(20.95,127.67) 8.76,127.67 8.26,127.16 8.26,57.31 12.83,52.74 C2.1 8.26,47.66 v1(8.26,33.3) 8.26,33.05
-INH: length 65.7
  Top w0.2: 182.12,139.22 208.15,139.22 208.91,139.98 208.91,153.31 207.52,154.71
  Bottom w0.2: 174.76,119.02 179.96,124.22 179.96,130.08 180.09,130.21 180.09,137.19 182.12,139.22
  vias: v1(181.99,139.22)
-IORQ: length 42.4
  Top w0.2: v1(174.75,139.22) 174.75,145.32 174.37,145.7 152.9,145.7 X2.c3
  Bottom w0.2: BQAS1.3 176.15,133.24 176.15,137.83 v1(174.75,139.22)
-IX: length 127.6
  Top w0.2: v1(184.91,71.02) 184.92,71.02 BGCU1.2
  Bottom w0.2: 184.91,73.44 v1(184.91,71.02) 184.91,70.9 183.64,69.63 183.64,24.29 183.77,24.16 183.77,23.91 181.86,22 119.76,22 119.64,21.89 119.64,14.52 119.63,14.51 119.63,13.64 X3.a3
-LCK: length 139.8
  Top w0.2: 187.58,27.84 186.44,26.7 179.07,26.7 v1(177.55,25.18) ; R23.5 164.45,15.4 149.73,15.4 145.92,19.21 145.92,19.46 115.46,19.46 X3.b1
  Bottom w0.2: X3.b1 113.49,22.85 113.79,23.14 177.04,23.14 177.55,23.65 v1(177.55,25.18)
-M1: length 41.7
  Top w0.2: BQAS1.2 172.09,134.26 165.86,140.49 v1(145.42,140.49)
  Bottom w0.2: v1(145.42,140.49) 145.54,140.62 145.54,145.45 143.89,147.1 X2.c1
-MERQ: length 50.7
  Top w0.2: 177.04,138.97 177.04,144.56 174.37,147.22 167,147.22 165.35,148.87 165.1,148.87 164.72,148.49 158.24,148.49 158.18,148.55 158.17,148.55 v1(156.78,147.16) 156.72,147.1
  Bottom w0.2: 177.04,138.97 177.17,138.84 177.17,129.05 174.76,126.64 ; X2.a6 155.32,153.44 155.32,148.37 155.57,148.37 v1(156.78,147.16)
  vias: v1(176.91,138.97)
-MO: length 92.8
  Top w0.2: v1(167.51,17.43) 167.51,16.54 169.42,14.64 170.3,14.64 R23.7 ; v1(191.52,35.46) BGDW1.3
  Bottom w0.2: v1(191.52,35.46) 191.52,26.32 185.17,19.97 170.05,19.97 v1(167.51,17.43) 164.85,20.1 126.62,20.1 125.99,19.47 X3.b6
-RD: length 42.7
  Top w0.2: v1(163.64,18.89) 163.64,21.56 164.21,22.13 167.77,22.13 169.8,24.16 169.8,26.7
  Bottom w0.2: 163.7,18.95 v1(163.64,18.89) 163.58,18.83 142.24,18.83 142.24,18.74 X3.b12 ; 167.26,27.84 168.53,27.84 169.8,26.57 169.8,30.38
-RDB: length 42.7
  Top w0.2: BQAS1.1 174.63,136.8 168.02,143.41 147.95,143.41 v1(147.83,143.29)
  Bottom w0.2: X2.a1 143.89,154.34 145.42,152.81 145.36,152.75 145.36,147.79 147.83,145.32 v1(147.83,143.29)
-RDY: length 125.5
  Top w0.2: 198.5,59.47 196.09,57.05 190.37,57.05 189.1,58.32 189.1,58.32 BGCU1.7 ; 198.5,59.47 205.11,59.47 v1(205.23,59.34) ; 198.5,59.47 198.5,59.85 R202.1
  Bottom w0.2: 205.36,59.47 v1(205.23,59.34) 205.23,52.23 205.74,51.72 205.74,51.47 206.76,50.45 206.76,23.27 206.12,22.64 191.39,22.64 186.94,18.19 174.88,18.19 171.07,14.38 147.57,14.38 145.69,12.5 X3.a13
-RDYB: length 57.1
  Bottom w0.2: v1(144.14,116.24) 143.51,115.6 143.51,109.38 144.27,108.62 144.27,63.29 COCU1.6
-RESET: length 151.8
  Top w0.2: 195.2,38 191.9,38 191.77,37.88 190.25,39.4 180.85,39.4 177.17,43.08 v1(174.75,43.08) ; 179.83,144.43 175.77,148.49 168.01,148.49 166.88,149.63
  Bottom w0.2: 174.76,124.1 178.44,127.78 178.44,143.03 179.83,144.43 ; 174.75,42.96 v1(174.75,43.08) 174.75,43.21 173.48,44.48 173.48,68.48 173.86,68.86 173.86,69.75 176.02,69.75 177.55,71.28 177.55,71.91 178.56,72.93 178.56,87.41 179.7,88.55 179.7,116.62 179.07,117.25 179.07,117.38 178.56,117.89 173.48,117.89 173.48,118.62 173.36,118.75 173.36,122.82 BQAS1.6
  vias: v1(179.7,144.43)
-SCLK: length 54.8
  Top w0.2: 207.52,149.63 207.52,144.68 203.58,140.75 181.1,140.75 179.7,139.35 179.7,139.22
  Bottom w0.2: 174.76,121.56 179.07,125.87 179.07,138.59 179.7,139.22
  vias: v1(179.58,139.22)
-SD: length 128.4
  Top w0.2: X3.b7 127.03,16.03 107.32,16.03 105.41,14.13 88.27,14.13 85.47,11.33 62.74,11.33 v1(60.83,13.24)
  Bottom w0.2: v1(60.83,13.24) 60.96,13.37 60.96,22.5 FODW1.8 61.85,26.21 61.85,28.47 FODW1.10 ; R23.2 158.4,13.83 149.31,13.83 149.23,13.75 148.34,13.75 144.65,10.06 144.53,10.19 135,10.19 134.85,10.35 134.85,14.1 134.87,14.13 134.87,14.25 134.49,14.64 134.49,14.89 134.24,15.14 130.85,15.14 X3.b7
-SE1: length 99.8
  Bottom w0.2: X3.a4 120.99,10.92 119.89,9.81 115.06,9.81 115.06,10.19 114.55,10.7 114.68,10.83 114.68,14.51 114.05,15.14 111,15.14 111,23.4 111.38,23.78 173.1,23.78 173.48,24.16 173.48,34.19 BQDW1.3
-SE2: length 83.7
  Top w0.2: 174.75,27.84 176.02,29.11 183.9,29.11 183.9,28.99 v1(185.17,27.72)
  Bottom w0.2: v1(185.17,27.72) 186.31,26.57 186.31,22.64 184.4,20.73 123.95,20.73 123.49,20.27 X3.b5
-SE3: length 77.3
  Top w0.2: v1(185.04,25.3) BQDW1.8
  Bottom w0.2: X3.a5 122.25,13.75 122.17,13.75 122.17,20.86 122.68,21.37 182.75,21.37 183.01,21.62 183.01,21.75 185.04,23.78 v1(185.04,25.3)
-SE4: length 84.7
  Bottom w0.2: BQDW1.11 181.23,31.78 181.1,31.78 181.1,24.41 179.32,22.64 179.07,22.64 178.94,22.51 117.6,22.51 116.59,21.49 116.59,19.33 117.35,18.57 117.35,13.87 115.95,12.48
-SR: length 13.8
  Top w0.2: DMDW1.8 128.4,26.7 138.43,26.7 139.57,27.84
-SS: length 139.2
  Top w0.2: R23.4 162.55,14.76 148.46,14.76 145.73,17.5 X3.b13 141.22,15.23 141.22,15.14 109.22,15.14 106.81,12.73 88.9,12.73 86.23,10.06 73.53,10.06 72.14,8.67 62.87,8.67 v1(60.71,10.83)
  Bottom w0.2: v1(60.71,10.83) 58.17,13.37 58.17,34.97 FODW1.2
-ST: length 129.2
  Top w0.2: v1(60.77,8.35) 63.5,5.62 71.25,5.62 74.42,8.79 87.12,8.79 89.79,11.46 108.33,11.46 111.13,14.25 126.74,14.25 X3.a7 130.12,14.13 160.78,14.13 160.78,13.99 R23.3
  Bottom w0.2: FODW1.6 57.15,25.83 57.15,11.97 v1(60.77,8.35) 60.83,8.29
-SW: length 371.6
  Top w0.2: v1(195.2,48.16) 191.01,48.16 189.48,46.64 v1(164.59,46.64) v1(121.67,46.64) 120.27,48.04 81.28,48.04 79.69,46.45 v1(50.61,46.45) 12.64,46.45 v1(12.07,45.88)
  Bottom w0.2: DMAS1.12 DMAS1.13 ; DMAS1.13 129.16,136.56 DCAS1.1 ; DMAS1.13 121.41,133.89 ; HFDW1.9 12.37,28.19 12.37,33.61 HFDW1.12 12.19,35.99 12.19,45.88 ; 121.41,133.89 DMAS1.2 ; 121.41,133.89 121.41,121.32 125.35,117.38 125.35,66.96 121.54,63.15 121.54,46.77 v1(121.67,46.64) ; CECU1.18 165.74,67.07 165.74,63.02 164.59,61.88 v1(164.59,46.64) ; v1(195.2,48.16) 195.2,44.61 193.8,43.21 193.8,31.78 195.2,30.38 ; 50.67,46.39 v1(50.61,46.45) 49.4,47.66 49.4,61.49 GACU1.10
-T0: length 149.3
  Top w0.2: v1(204.22,40.54) 204.22,40.42 203.2,39.4 198.63,39.4 194.69,43.34 194.44,43.34 194.18,43.08 v1(188.98,43.08) 187.45,43.08 R205.1
  Bottom w0.2: BGCU1.1 187.59,73.43 189.36,71.66 189.36,70.26 188.98,69.88 189.04,69.94 188.67,69.58 186.64,69.58 186.06,68.99 186.06,65.31 186.69,64.67 188.34,64.67 188.72,64.29 188.72,54.51 189.99,53.24 189.99,44.1 v1(188.98,43.08) 188.85,42.96 ; v1(204.22,40.54) 204.22,23.78 203.83,23.4 191.13,23.4 186.56,18.83 174.5,18.83 170.81,15.14 138.35,15.14 X3.b10
-TS: length 149.3
  Top w0.2: 192.53,60.86 v1(192.53,60.86) BGCU1.6 185.16,60.86 R204.1 ; v1(197.87,27.59) v1(197.87,21.49)
  Bottom w0.2: v1(192.53,60.86) 192.53,29.37 193.04,28.86 193.12,28.94 196.43,28.94 196.47,28.99 v1(197.87,27.59) ; v1(197.87,21.49) 195.71,19.33 192.02,19.33 188.98,16.29 183.13,16.29 182.63,15.78 182.63,10.83 182.5,10.7 182.5,10.32 182.12,9.94 148.46,9.94 146.43,7.9 113.54,7.9 113.16,8.29 113.16,8.54 113.49,8.88 X3.a1
-WAIT: length 8.6
  Bottom w0.2: X2.a9 165.48,153.44 165.48,148.24 X10-6.1
-WD: length 78.9
  Top w0.2: v1(195.33,21.37) 195.2,21.49 BGDW1.8
  Bottom w0.2: X3.a8 131,8.86 131.19,8.67 131.44,8.67 131.57,8.54 145.67,8.54 146.94,9.81 147.45,9.81 148.21,10.57 175.77,10.57 178.94,13.75 178.94,14.64 178.83,14.74 178.83,16.05 179.58,16.79 188.34,16.79 191.77,20.22 194.18,20.22 v1(195.33,21.37)
-WE: length 84.9
  Top w0.2: v1(192.91,21.49) 192.91,26.19 193.29,26.57 196.47,26.57 196.72,26.83 196.72,31.4 BGDW1.11
  Bottom w0.2: v1(192.91,21.49) 191.52,21.49 187.45,17.43 175.77,17.43 174.74,16.4 R23.8 173.22,11.21 147.19,11.21 145.42,9.43 133.86,9.43 133.5,9.79 X3.a9
-WEP: length 128.9
  Top w0.2: v1(45.47,73.06) 46.61,71.91 48.77,71.91 48.85,71.83 118.51,71.83 118.85,72.17 140.21,72.17 141.86,70.52 144.4,70.52 146.05,72.17 156.08,72.17 156.72,71.53
  Bottom w0.2: v1(45.47,73.06) 45.47,67.21 45.21,66.96 45.21,66.71 45.09,66.58 41.53,66.58 GKCU1.10
-WP: length 133.8
  Bottom w0.2: 197.74,67.34 197.74,73.56 ; 197.74,67.34 200.46,67.34 200.59,67.21 202.18,67.21 202.56,66.83 202.69,66.83 202.69,24.03 190.37,24.03 185.8,19.46 171.45,19.46 168.27,16.29 161.16,16.29 159.77,17.68 155.45,17.68 154.05,16.29 139.83,16.29 138.56,17.56 ; 197.74,67.34 188.73,67.34 BGCU1.3
/Seite 2/1.01: length 193.8
  Top w0.2: v1(160.66,125.13) 160.66,125.25 157.99,127.91 CGAT1.4 ; BQCU1.1 176.03,72.29 189.1,72.29 190.38,71.02 BGCU1.19 ; v1(159.64,86.26) 159.77,86.14 165.48,86.14 166.62,87.28 BIBR1.9 185.17,87.28 185.17,87.15 186.14,86.18 192.96,86.18 193.04,86.26 193.68,86.26 194.82,87.41 194.94,87.28 AKBR1.9 211.51,87.28 212.78,86.01 225.81,86.01 R2.4
  Bottom w0.2: v1(188.72,86.14) 188.6,86.26 188.6,117.76 192.41,121.57 192.41,131.85 BGAS1.19 ; v1(160.66,125.13) 159.64,124.11 v1(159.64,86.26)
